# Altium PCB FULL_CB_REV_C.PcbDoc (part 1 of 2)
Units mm, origin at the board's own origin, x right, y up, seen from the top; angles counter-clockwise.
Board outline 86.1 x 38.5 mm, 4 copper layers (Top Layer, Signal Layer 2, Signal Layer 1, Bottom Layer), stack 1.643 mm thick; 96 components, 165 nets, 587 pads, 270 vias.
Unrouted connection lines stored in the file: 6.
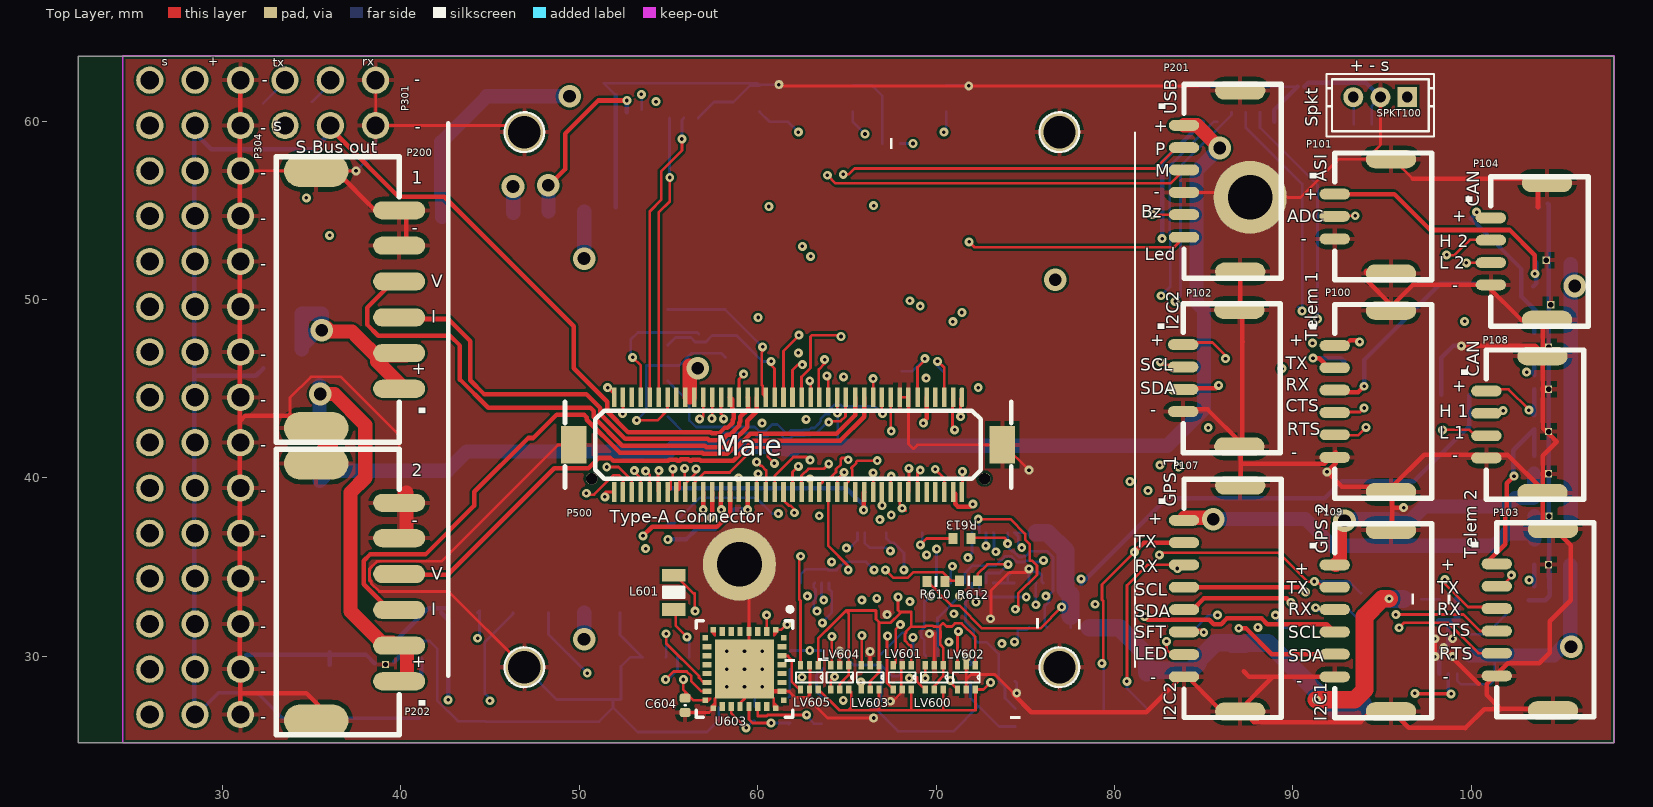
[diagram p0: Top Layer view]
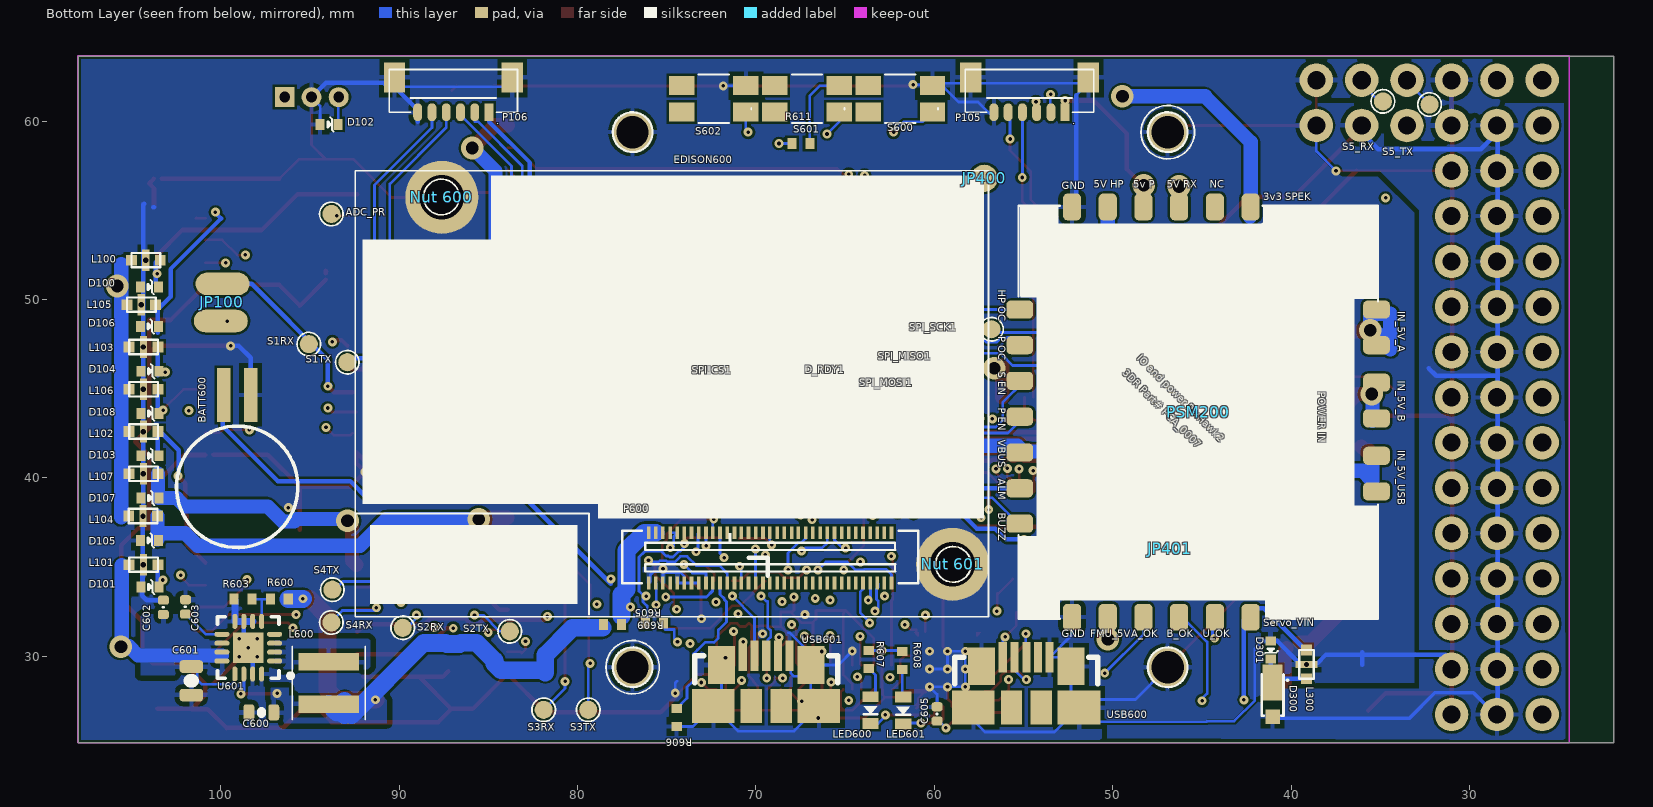
[diagram p1: Bottom Layer view, seen from below]
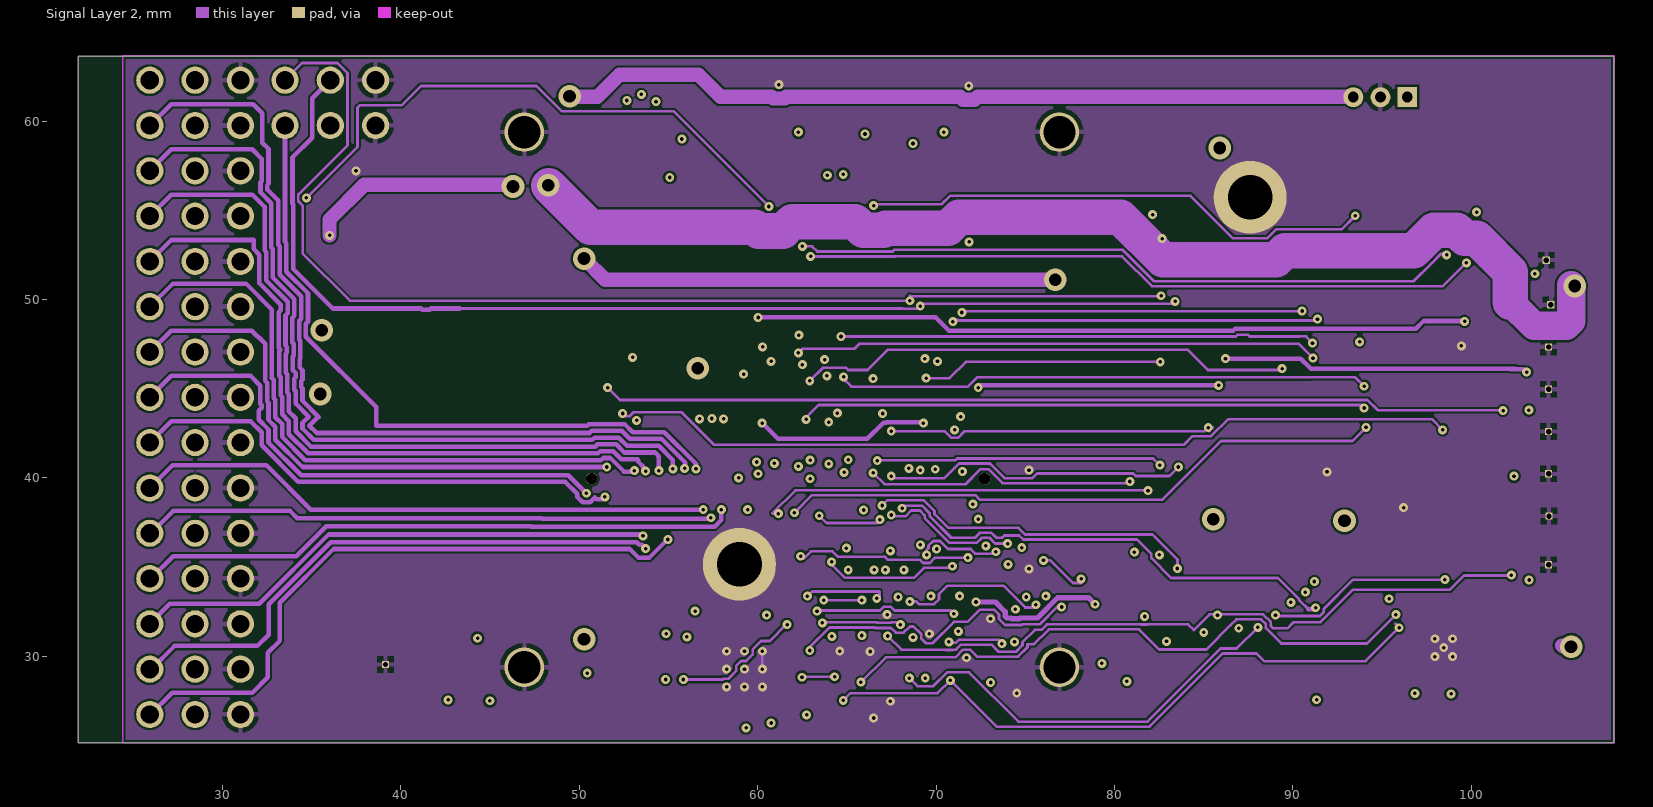
[diagram p2: Signal Layer 2]
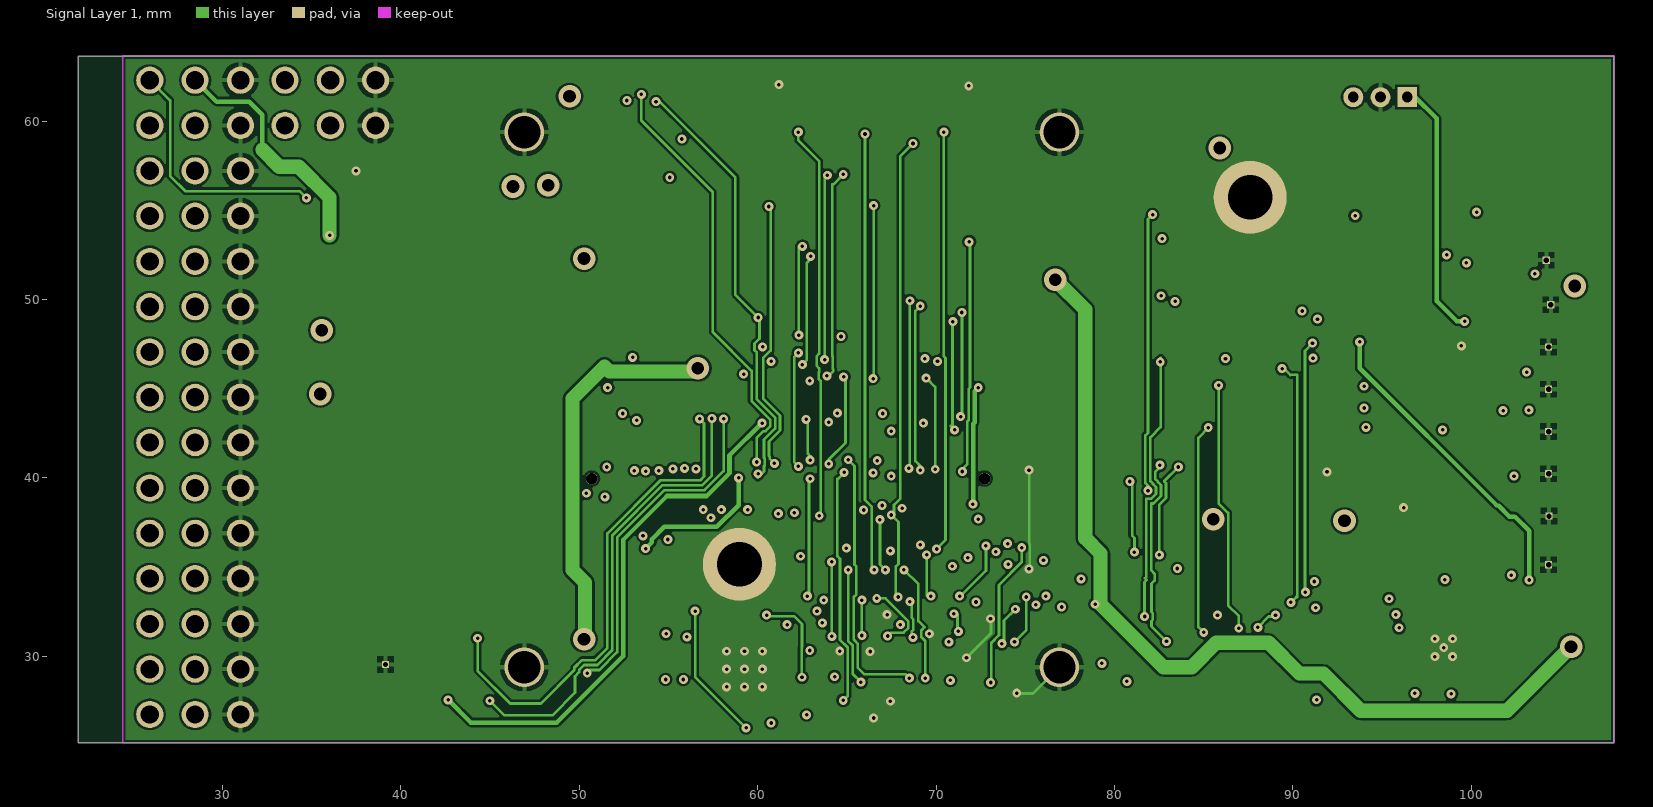
[diagram p3: Signal Layer 1]
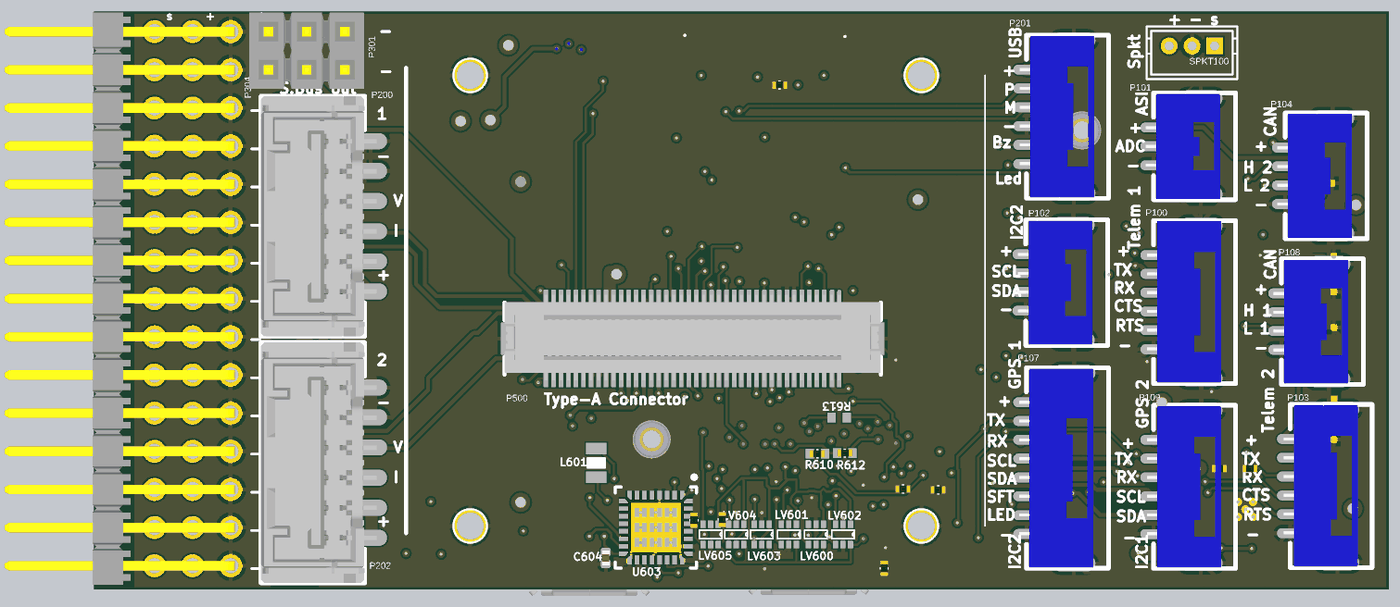
[diagram p5: 3D render of the assembled board from above, using the file's embedded part models]
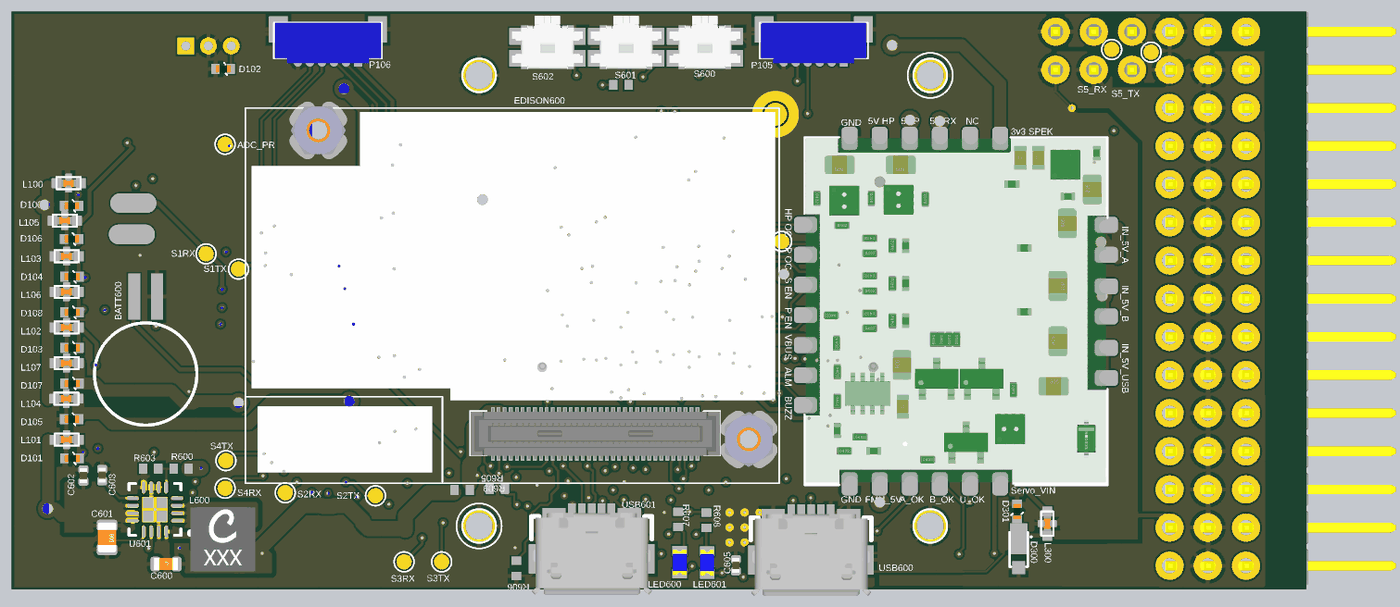
[diagram p6: 3D render of the assembled board from below, using the file's embedded part models]

## Layer stack, top to bottom
Top Solder: solder mask 0.0102, Solder Resist, Dk 3.5
Top Layer: signal copper 0.0356
Dielectric 1: core 0.5, FR-4, Dk 4.8
Signal Layer 2: signal copper 0.036
Dielectric 6: prepreg 0.5, Dk 4.2
Signal Layer 1: signal copper 0.036
Dielectric 4: core 0.5, Dk 4.2
Bottom Layer: signal copper 0.0356
Bottom Solder: solder mask 0.0102, Solder Resist, Dk 3.5

## Board outline
21.9,25.15 108,25.15 108,63.65 21.9,63.65

## Design rules (kind name [scope] priority, off if disabled: settings)
Clearance "Polygon clearance" [InPolygon vs InPolygon] p1: gap=0.3
Clearance Clearance_1 [All] p2: gap=0.127
Clearance mdViaVia [IsVia vs IsVia] p3: gap=0.127
Clearance mdPadVia [IsPad vs IsVia] p4: gap=0.127
Clearance mdPadPad [IsPad vs IsPad] p5: gap=0.127
Clearance mdWireVia [(InLayerClass('Signal Layers') AND IsTrack) vs IsVia] p6: gap=0.127
Clearance mdWirePad [(InLayerClass('Signal Layers') AND IsTrack) vs IsPad] p7: gap=0.127
Clearance mdWireWire [(InLayerClass('Signal Layers') AND IsTrack) vs (InLayerClass('Signal Layers') AND IsTrack)] p8: gap=0.127
ComponentClearance ComponentClearance_1 [(HasFootprint('ed') OR HasFootprint('CON-DF17-80M') OR HasFootprint('DF40-70_RECEPTICAL') OR HasFootprint('PSM') OR HasFootprint('PEM-SMTSO-M1.6-2-ET') OR HasFootprint('HEADER_1X06-FTDI') OR HasFootprint('3DR-WORDMARK-short'))] p1: gap=0 collisioncheckmode=3 verticalgap=0 showdistances=FALSE
ComponentClearance [All] p2 off: gap=0.076 collisioncheckmode=3 verticalgap=0 showdistances=FALSE
HoleSize [All] p1: absolutevalues=TRUE maxlimit=2540 minlimit=0.2 maxpercent=80.000 minpercent=20.000
HoleToHoleClearance [All] p1: gap=0.203 allowstackedmicrovias=TRUE
MinimumSolderMaskSliver [All] p1 off: minsoldermaskwidth=0.254
PasteMaskExpansion [All] p1: expansion=0.025
PolygonConnect PolygonConnect_1 [(InComponent('U2') OR InComponent('L6') OR HasFootprint('PEM-SMTSO-M1.6-2-ET') OR HasFootprint('MOUNT-HOLE1.8'))] p1: connectstyle=Direct reliefconductorwidth=0.254 reliefentries=4 polygonreliefangle="90 Angle" airgapwidth=0.254
PolygonConnect ThermalVias [IsVia] p2: connectstyle=Direct reliefconductorwidth=0.254 reliefentries=4 polygonreliefangle="90 Angle" airgapwidth=0.254
PolygonConnect [All] p3: connectstyle=Relief reliefconductorwidth=0.254 reliefentries=4 polygonreliefangle="90 Angle" airgapwidth=0.254
RoutingVias [All] p1: holewidth=0.2 width=0.5 viastyle="Through Hole" minholewidth=0.2 minwidth=0.5 maxholewidth=0.711 maxwidth=1.27
SilkToBoardRegionClearance [All] p1 off:
SilkToSilkClearance [All] p1 off: silktosilkclearance=0.254
SilkToSolderMaskClearance [IsPad] p1 off: minsilkscreentomaskgap=0.254 clearancetoexposedcopper=TRUE
SolderMaskExpansion [All] p1: expansion=0.025
Width [All] p1: maxlimit=2 minlimit=0.15 preferedwidth=0.254
22 further rules are at their usual default settings.

## Classes and differential pairs
component class FULL_CB_Plugs_REV_C: 3 D100 D101 D102 D103 D104 D105 D106 D107 D108 JP100 L100 L101 L102 L103 L104 L105 L106 L107 P100 P101 P102 P103 P104 P105 P106 P107 P108 P109 SPKT100
component class FULL_CB_Power_REV_C: P200 P201 P202 PSM200
component class FULL_CB_Servo_REV_C: D300 D301 L300 P301 P304
component class FULL_CB_tp_REV_C: ADC_PR D_RDY1 JP400 JP401 S1RX S1TX S2RX S2TX S3RX S3TX S4RX S4TX S5_RX S5_TX SPI!CS1 SPI_MISO1 SPI_MOSI1 SPI_SCK1
component class FULL_CB_80_Pin_REV_C: FIDUCIALS1 P500
component class FULL_CB_INTEL_REV_C: BATT600 C600 C601 C602 C603 C604 C605 EDISON600 L600 L601 LED600 LED601 LV600 LV601 LV602 LV603 LV604 LV605 "Nut 600" "Nut 601" P600 R600 R603 R605 R606 R607 R608 R609 R610 R611 R612 R613 S600 S601 S602 U601 U603 USB1 USB2 USB600 USB601

## Components (designator, comment, footprint, x,y, rotation, side; value= is the part's Value field where it differs from the comment)
ADC_PR "PAD.04" PAD.04X.04 93.8,54.8 r0 bottom
BATT600 "" MS621FE 99.08,39.503 r90 bottom
C600 "" 0603-CAP 97.727,26.854 r0 bottom
C601 "10.00UF" 0805-CAP 101.651,28.626 r270 bottom
C602 "0u1" 0402-CAP 103.22,32.747 r90 bottom
C603 "33000pf" 0402-CAP 101.976,32.772 r90 bottom
C604 "0u1" 0402-CAP 55.931,27.254 r270 top
C605 "0u1" 0402-CAP 59.842,26.772 r90 bottom
D100 "DIODE-TVS" 0402-TVS 104,50.7 r0 bottom
D101 "DIODE-TVS" 0402-TVS 103.974,33.89 r0 bottom
D102 "DIODE-TVS" 0402-TVS 93.924,59.823 r0 bottom
D103 "DIODE-TVS" 0402-TVS 103.974,41.246 r0 bottom
D104 "DIODE-TVS" 0402-TVS 103.974,45.986 r0 bottom
D105 "DIODE-TVS" 0402-TVS 104,36.5 r0 bottom
D106 "DIODE-TVS" 0402-TVS 104,48.5 r0 bottom
D107 "DIODE-TVS" 0402-TVS 103.974,38.876 r0 bottom
D108 "DIODE-TVS" 0402-TVS 103.974,43.616 r0 bottom
D300 "MSS1P4-M3" MICROSMP 41.037,27.28 r270 bottom
D301 "DIODE-TVS" 0402-TVS 41.139,30.353 r90 bottom
D_RDY1 "PAD.04" PAD.04X.04 68.072,45.974 r180 bottom
EDISON600 "Ed" ED 87.63,55.753 r270 bottom locked
JP100 "HEADER_2MM_RA_SMD" HEADER_2MM_RA_2 100.799,49.846 r90 bottom
JP400 "FIDUCIAL1.5X3" FIDUCIAL-1.5X3 57.2,56.8 r180 bottom
JP401 "FIDUCIAL1.5X3" FIDUCIAL-1.5X3 46.787,36.043 r90 bottom
L100 "Kyocera KNH16C104DA5TS EMI filter" KYOCERA-KNH16-DA 104.211,52.208 r180 bottom
L101 "Kyocera KNH16C104DA5TS EMI filter" KYOCERA-KNH16-DA 104.338,35.135 r180 bottom
L102 "Kyocera KNH16C104DA5TS EMI filter" KYOCERA-KNH16-DA 104.338,42.602 r180 bottom
L103 "Kyocera KNH16C104DA5TS EMI filter" KYOCERA-KNH16-DA 104.338,47.342 r180 bottom
L104 "Kyocera KNH16C104DA5TS EMI filter" KYOCERA-KNH16-DA 104.361,37.863 r180 bottom
L105 "Kyocera KNH16C104DA5TS EMI filter" KYOCERA-KNH16-DA 104.465,49.712 r180 bottom
L106 "Kyocera KNH16C104DA5TS EMI filter" KYOCERA-KNH16-DA 104.338,44.972 r180 bottom
L107 "Kyocera KNH16C104DA5TS EMI filter" KYOCERA-KNH16-DA 104.338,40.232 r180 bottom
L300 "Kyocera KNH16C104DA5TS EMI filter" KYOCERA-KNH16-DA 39.132,29.54 r90 bottom
L600 "XFL4020-222MEB" XFL4020 93.949,28.505 r270 bottom
L601 "" 0805-IND 55.296,33.579 r90 top
LED600 "BLUE" 0603-LED-BLUE 63.576,26.975 r90 bottom
LED601 "BLUE" 0603-LED-BLUE 61.747,26.949 r90 bottom
LV600 "SN74LVC1T45" DRL 70.4,29.5 r270 top
LV601 "SN74LVC1T45" DRL 68.6,29.5 r270 top
LV602 "SN74LVC1T45" DRL 72.2,29.5 r270 top
LV603 "SN74LVC1T45" DRL 66.8,29.5 r270 top
LV604 "SN74LVC1T45" DRL 65.1,29.5 r270 top
LV605 "SN74LVC1T45" DRL 63.4,29.5 r270 top
"Nut 600" "PEM-SMTSO-M1.6-2-ET" PEM-SMTSO-M1.6-2-ET 87.605,55.728 r90 bottom
"Nut 601" "PEM-SMTSO-M1.6-2-ET" PEM-SMTSO-M1.6-2-ET 58.979,35.154 r180 bottom
P100 "JST_GH_V6" JST_GH_V6 97.8,44.3 r270 top
P101 "JST_GH_V3" JST_GH_V3 97.8,54.667 r270 top
P102 "JST_GH_V4" JST_GH_V4 89.3,45.6 r270 top
P103 "JST_GH_V6" JST_GH_V6 106.883,32.055 r270 top
P104 "JST_GH_V4" JST_GH_V4 106.553,52.705 r270 top
P105 "JST_SUR_6" JST_SUR_H6 54.661,62.5 r0 bottom
P106 "JST_SUR_6" JST_SUR_H6 86.961,62.5 r0 bottom
P107 "JST_GH_V8" JST_GH_V8 89.35,33.25 r270 top
P108 "JST_GH_V4" JST_GH_V4 106.3,43 r270 top
P109 "JST_GH_V6" JST_GH_V6 97.8,32 r270 top
P200 "CLICKMATE_2_6" CLICKMATE_V6_2MM 33,50 r90 top
P201 "JST_GH_V6" JST_GH_V6 89.35,56.642 r270 top
P202 "CLICKMATE_2_6" CLICKMATE_V6_2MM 33,33.6 r90 top
P301 "con 2x6" TSW-103-07-G-D 36.04,62.3 r90 top
P304 "PH_2 Servo header" TSW-115-08-G-T-RA 28.46,44.52 r0 top
P500 "CON-DF17-80M" ? 61.697,41.859 r0 top
P600 "DF40-70_RECEPTICAL" DF40-70_RECEPTICAL 69.054,35.56 r90 bottom locked
PSM200 "Power Selection module" PSM 44.958,43.942 r270 bottom
R600 "47K  1%" 0402-RES 96.718,33.204 r180 bottom
R603 "10.5K  1%" 0402-RES 98.75,33.204 r180 bottom
R605 "100K" 0402-RES 75.692,31.852 r180 bottom
R606 "10K" 0402-RES 74.439,26.568 r270 bottom
R607 "220R" 0402-RES 63.678,29.82 r270 bottom
R608 "220R" 0402-RES 61.798,29.769 r270 bottom
R609 "0R" 0402-RES 78.029,31.79 r180 bottom
R610 "10K" 0402-RES 70,34.2 r0 top
R611 "220R" 0402-RES 67.488,58.75 r0 bottom
R612 "220R" 0402-RES 71.831,34.239 r0 top
R613 "10K" 0402-RES 71.45,36.601 r0 top
S1RX "PAD.04" PAD.04X.04 95.067,47.504 r0 bottom
S1TX "PAD.04" PAD.04X.04 92.908,46.488 r0 bottom
S2RX "PAD.04" PAD.04X.04 89.8,31.6 r0 bottom
S2TX "PAD.04" PAD.04X.04 83.8,31.4 r0 bottom
S3RX "PAD.04" PAD.04X.04 81.9,27 r0 bottom
S3TX "PAD.04" PAD.04X.04 79.4,27 r0 bottom
S4RX "PAD.04" PAD.04X.04 93.8,31.9 r180 bottom
S4TX "PAD.04" PAD.04X.04 93.746,33.738 r180 bottom
S5_RX "PAD.04" PAD.04X.04 34.849,61.112 r135 bottom
S5_TX "PAD.04" PAD.04X.04 32.233,60.935 r135 bottom
S600 "Power" EVQP7J01K 61.9,61.265 r0 bottom
S601 "FWR_RCVR" EVQP7J01K 67.132,61.265 r0 bottom
S602 "RCVR_MODE" EVQP7J01K 72.365,61.265 r0 bottom
SPI!CS1 "PAD.04" PAD.04X.04 70.409,45.949 r0 bottom
SPI_MISO1 "PAD.04" PAD.04X.04 58.191,46.761 r0 bottom
SPI_MOSI1 "PAD.04" PAD.04X.04 59.055,45.212 r180 bottom
SPI_SCK1 "PAD.04" PAD.04X.04 56.794,48.336 r90 bottom
SPKT100 "CONN_SPEKTRUM_RX-TH" B3B-ZR 94.914,61.347 r180 top
U601 "TPS62130RGTT" RGT16-1700X1700TP 98.461,30.486 r0 bottom
U603 "FT232RQ-Reel" PQFN5X5-32_V 59.258,29.286 r270 top
USB600 "MICRO USB B, BOTTOM MOUNT" MOLEX-47346-0001 54.839,27.127 r90 bottom
USB601 "MICRO USB B, BOTTOM MOUNT" MOLEX-47346-0001 69.418,27.203 r90 bottom

## Footprints (in the part's own frame and the unit in brackets; to place one, negate y for a bottom-side part, rotate by r counter-clockwise, add the part's x,y. Pads: shape width x height; smd on the part's side, far side on the other; paste and mask are expansions set on the pad)
0402-CAP [mil]
  rrect50% 20x24 smd mask+0: P$1(-15.75,0) P$2(15.75,0)
  silkscreen extent 0,0 0,1, body extent -20,-10 20,10, height 20
0402-RES [mil] "0402-RES"
  rect 20x24 smd: P$1(19.68,0) P$2(-20,0)
  body extent -20,-10 20,10, height 20
0402-TVS [mil] "0402-TVS"
  rect 20x24 smd: A(20,0) C(-19.68,0)
  silkscreen extent -10,-16 3,16, body extent -20,-10 20,10, height 20
0603-CAP [mil] "0603-CAP"
  rrect50% 24x36 smd mask+0: P$1(-27.56,0) P$2(27.56,0)
  silkscreen extent 0,-2 0,2, body extent -31,-16 31,16, height 34
0603-LED-BLUE [mil] "0603-LED_Blue"
  rect 24x36 smd: A(30,0) C(-29.53,0)
  silkscreen extent -9,-15 9,15, body extent -33,-18 33,18, height 35
0805-CAP [mil]
  rrect50% 28x52 smd mask+0: P$1(-31.5,0) P$2(31.5,0)
  silkscreen extent 0,-2 0,2, body extent -39,-25 39,25, height 31
0805-IND [mil]
  rect 28x52 smd: P$1(-37.4,0) P$2(38,0)
  silkscreen extent -12,-23 12,23
B3B-ZR [mil]
  rect 44x44 hole 24: 1(-59.06,0)
  round 44 hole 24: 2(0,0) 3(60,0)
  silkscreen extent -118,-51 119,87
CLICKMATE_V6_2MM [mil]
  rrect100% 40x115 smd: 1(-196.85,-271.65) 2(-118.11,-271.65) 3(-39.37,-271.65) 4(40,-271.65) 5(119,-271.65) 6(197,-271.65)
  rrect100% 71x142 smd: GND(-283.46,-88.58) GND(284,-88.58)
  silkscreen extent -315,-272 315,0, body extent -315,-303 315,0, height 295
DF40-70_RECEPTICAL [mil]
  rect 28x8 smd: 1(-57.09,273.5) 2(54,273.5) 3(-57.09,258.5) 4(54,258.5) 5(-57.09,242.5) 6(54,242.5) 7(-57.09,226.5) 8(54,226.5) 9(-57.09,210.5) 10(54,210.5) 11(-57.09,195.5) 12(54,195.5) 13(-57.09,179.5) 14(54,179.5) 15(-57.09,163.5) 16(54,163.5) 17(-57.09,147.5) 18(54,147.5) 19(-57.09,132.5) 20(54,132.5) 21(-57.09,116.5) 22(54,116.5) 23(-57.09,100.5) 24(54,100.5) 25(-57.09,84.5) 26(54,84.5) 27(-57.09,69.5) 28(54,69.5) 29(-57.09,53.5) 30(54,53.5) 31(-57.09,37.5) 32(54,37.5) 33(-57.09,21.5) 34(54,21.5) 35(-57.09,6.5) 36(54,6.5) 37(-57.09,-9.5) 38(54,-9.5) 39(-57.09,-25.5) 40(54,-25.5) 41(-57.09,-41.5) 42(54,-41.5) 43(-57.09,-56.5) 44(54,-56.5) 45(-57.09,-72.5) 46(54,-72.5) 47(-57.09,-88.5) 48(54,-88.5) 49(-57.09,-104.5) 50(54,-104.5) 51(-57.09,-120.37) 52(54,-120.37) 53(-57.09,-136.12) 54(54,-136.12) 55(-57.09,-151.87) 56(54,-151.87) 57(-57.09,-167.62) 58(54,-167.62) 59(-57.09,-183.37) 60(54,-183.37) 61(-57.09,-199.11) 62(54,-199.11) 63(-57.09,-214.86) 64(54,-214.86) 65(-57.09,-230.61) 66(54,-230.61) 67(-57.09,-246.36) 68(54,-246.36) 69(-57.09,-262.11) 70(54,-262.11)
  silkscreen extent -58,-321 58,332, body extent -68,-322 66,332, height 75
DRL [mm]
  rect 0.45x0.3 smd: 1(0,0) 2(0,-0.5) 3(0,-1) 4(1.35,-1) 5(1.35,-0.5) 6(1.35,0)
  silkscreen extent 0.39,-1.25 0.96,0.25, body extent 0.4,-1.2 1,0.2, height 0.6
ED [mm]
  silkscreen extent -1.47,-4.83 23.53,30.67
EVQP7J01K [mil]
  rect 56x42 smd: A1(-70.87,29) A2(71,29) B3(-70.87,-28.54) B4(71,-28.54)
  silkscreen extent -83,-53 34,54, body extent -93,-83 93,57
FIDUCIAL-1.5X3 [mil]
  rrect100% 60x60 smd paste-78.74: 1(0,0)
HEADER_2MM_RA_2 [mil]
  rrect100% 50x119 smd: 1(-41.19,-31.46) 2(40.8,-35.39)
JST_GH_V3 [mil]
  rrect100% 24x67 smd: 1(-49.21,-214.57) 2(0,-214.57) 3(50,-214.57)
  rrect100% 40x111 smd: GND(-125.98,-90.55) GND(126,-90.55)
  silkscreen extent -140,-215 140,0, body extent -138,-235 138,-40, height 165
JST_GH_V4 [mil]
  rrect100% 24x67 smd: 1(-73.82,-214.57) 2(-24.61,-214.57) 3(25,-214.57) 4(74,-214.57)
  rrect100% 40x111 smd: GND(-150.59,-90.55) GND(151,-90.55)
  silkscreen extent -164,-215 165,0, body extent -162,-235 163,-40, height 165
JST_GH_V6 [mil]
  rrect100% 24x67 smd: 1(-123.03,-214.57) 2(-73.82,-214.57) 3(-24.61,-214.57) 4(25,-214.57) 5(74,-214.57) 6(124,-214.57)
  rrect100% 40x111 smd: GND(-199.8,-90.55) GND(200,-90.55)
  silkscreen extent -214,-215 214,0, body extent -212,-232 212,-37, height 165
JST_GH_V8 [mil]
  rrect100% 24x67 smd: 1(-172.24,-214.57) 2(-123.03,-214.57) 3(-73.82,-214.57) 4(-24.61,-214.57) 5(25,-214.57) 6(74,-214.57) 7(124,-214.57) 8(173,-214.57)
  rrect100% 40x111 smd: GND(-249.02,-90.55) GND(250,-90.55)
  silkscreen extent -263,-215 263,0, body extent -261,-234 261,-39, height 165
JST_SUR_H6 [mm]
  rect 0.5x1 smd: 1(-2,2)
  rrect100% 0.5x1 smd: 2(-1.2,2) 3(-0.4,2) 4(0.4,2) 5(1.2,2) 6(2,2)
  rect 1.2x1.7 smd: GND(-3.3,0.05) GND(3.3,0.05)
  silkscreen extent -3.6,-0.4 3.6,2, body extent -3.5,-0.4 3.5,2.3, height 1.7
KYOCERA-KNH16-DA [mil] "KYOCERA-KNH16-DA"
  rect 16x16 smd: GND(0,-15.75) GND(0,16)
  rect 16x16 hole 12: GND(0,0)
  rect 24x24 smd: P$1(-31.5,0) P$2(32,0)
  silkscreen extent -31,-16 32,16, body extent -20,-10 20,10, height 14
MICROSMP [mil]
  rect 32x32 smd: ANODE(26,0)
  rect 79x44 smd: CATHODE(-49.21,0)
  silkscreen extent -67,-24 24,35
MOLEX-47346-0001 [mil]
  rect 67x18 smd: D+(111,0) D-(111,26) GND(111,-51.18) ID(111,-25.59) VBUS(111,52)
  rect 75x94 smd: GND1(0,117) GND4(0,-116.14)
  rect 83x59 smd: GND2(91,99) GND3(91,-98.43)
  rect 75x47 smd: GND5(0,-32.97) GND6(0,33)
  silkscreen extent 52,-157 111,158, body extent -94,-157 120,157, height 107
MS621FE [mil]
  rect 119x30 smd: 1(203,30) 2(203,-29.53)
  silkscreen extent -134,-134 134,134
PAD.04X.04 [mil]
  rrect100% 40x40 smd paste-78.74: P$1(0,0)
  silkscreen extent -26,-26 26,26
PEM-SMTSO-M1.6-2-ET [mm] "Surface mount thread"
  round 4.1 hole 2.5 paste-2 mask-2: 0(0,0)
  body extent -1.59,-1.83 1.59,1.83, height 2
PQFN5X5-32_V [mm] "QFN, 32-Leads, Body 5x5mm, Pitch 0.5mm, Thermal Pad 3.3x3.3mm, FTDI Recommended"
  rect 0.3x0.3 smd paste-0.15 mask-0.15: 1(-2.2,1.75) 8(-2.2,-1.75) 9(-1.75,-2.2) 16(1.75,-2.2) 17(2.2,-1.75) 24(2.2,1.75) 25(1.75,2.2) 32(-1.75,2.2)
  rect 0.5x0.3 smd paste-0.15 mask+0.06: 2(-2.1,1.25) 3(-2.1,0.75) 4(-2.1,0.25) 5(-2.1,-0.25) 6(-2.1,-0.75) 7(-2.1,-1.25) 18(2.1,-1.25) 19(2.1,-0.75) 20(2.1,-0.25) 21(2.1,0.25) 22(2.1,0.75) 23(2.1,1.25)
  rect 0.3x0.5 smd paste-0.15 mask+0.06: 10(-1.25,-2.1) 11(-0.75,-2.1) 12(-0.25,-2.1) 13(0.25,-2.1) 14(0.75,-2.1) 15(1.25,-2.1) 26(1.25,2.1) 27(0.75,2.1) 28(0.25,2.1) 29(-0.25,2.1) 30(-0.75,2.1) 31(-1.25,2.1)
  rect 3.3x3.3 smd paste-1.65 mask+0.06: 33(0,0)
  Top Layer region: -2.05,-1.6 -1.85,-1.6 -1.85,-1.7 -2.05,-1.9
  Top Layer region: 2.05,-1.6 1.85,-1.6 1.85,-1.7 2.05,-1.9
  Top Layer region: 2.05,1.6 1.85,1.6 1.85,1.7 2.05,1.9
  Top Layer region: -2.05,1.6 -1.85,1.6 -1.85,1.7 -2.05,1.9
  Top Layer region: 1.6,-1.85 1.6,-2.05 1.9,-2.05 1.7,-1.85
  silkscreen extent -3.47,-2.7 2.7,2.7, body extent -2.55,-2.55 2.55,2.55, height 1